# Altium PCB FlatSat.PcbDoc (part 8 of 12)
Units mil, origin at the board's own origin, x right, y up, seen from the top; angles counter-clockwise.
Board outline 4682 x 22047 mil, 4 copper layers (Top Layer, STR GND 1, STR GND 2, Bottom Layer), stack 33.434 mil thick; 381 components, 345 nets, 1605 pads, 1915 vias.
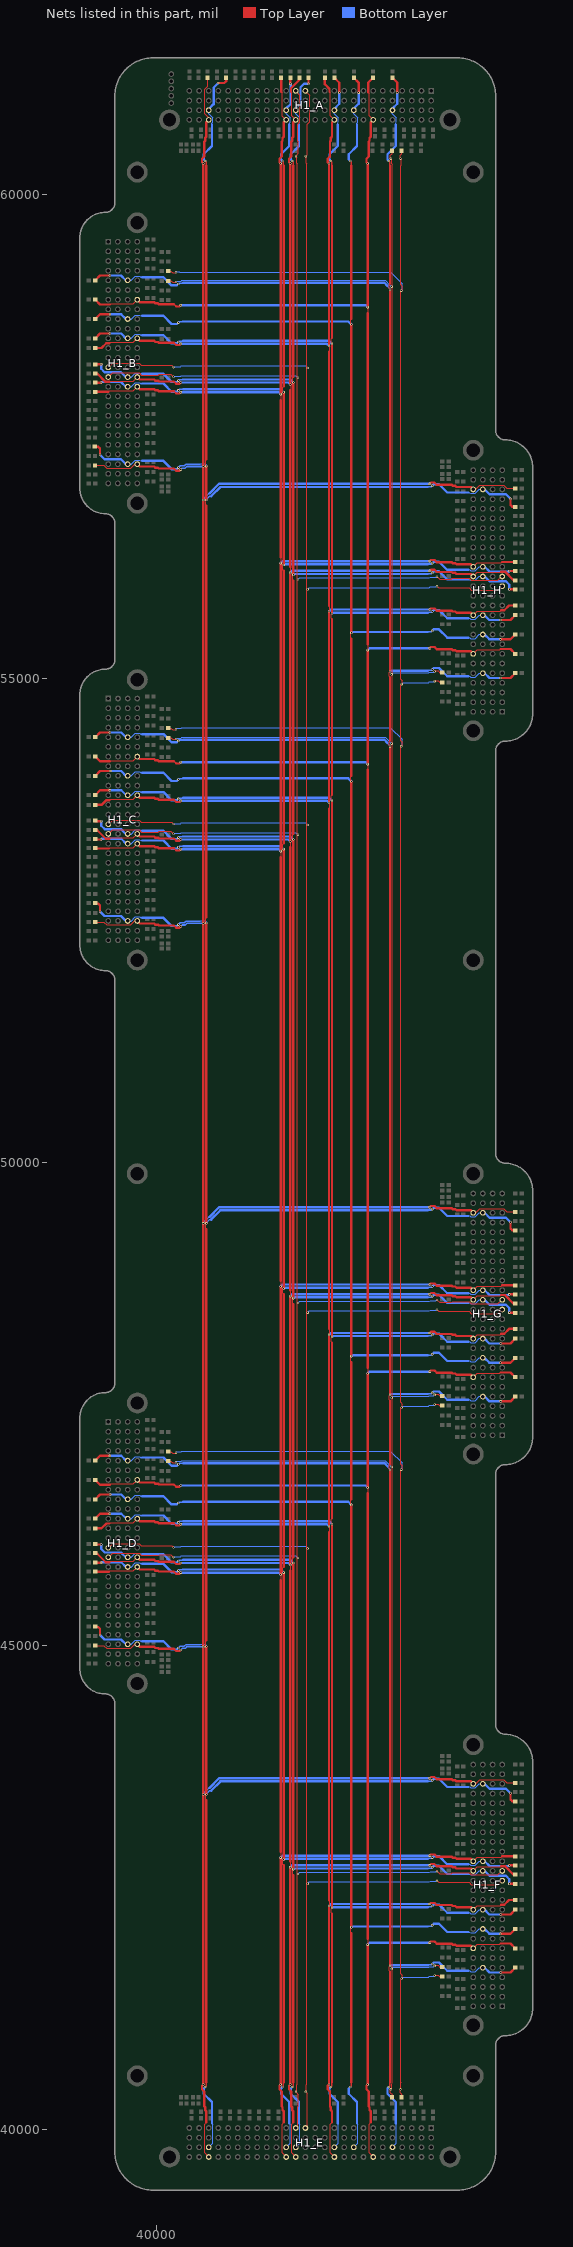
[diagram p10: the nets of this part, all layers, seen from the top]

## Via types
v1: diameter 24, hole 8, Top Layer to Bottom Layer, 1915 vias

## Nets (pads, with @x,y where several pads share a name; then routed paths per layer and width w, separated by ;. In a path a pad name is that pad's centre, name@x,y a point inside that pad or via, vN(x,y) a via of type N, cw(c..) or ccw(c..) an arc to the next point about the centre after c; other vN are vias at no path point) (continued)
GND_9: H1_A.61 H1_B.61 H1_C.61 H1_D.61 H1_E.61 H1_F.61 H1_G.61 H1_H.61 J61_A.2 J61_B.2 J61_C.2 J61_D.2 J61_F.2 J61_G.2 J61_H.2 | length 35393
  Top Layer w8: 42412,41628 42404,41636 42404,41680 v1(42412,41688) ; v1(42412,46815) 42404,46823 42404,46867 42412,46875 ; 42412,47533 42404,47541 42404,47585 v1(42412,47593) ; v1(42412,54295) 42404,54303 42404,54347 42412,54355 ; 42412,55013 42404,55021 42404,55065 v1(42412,55073) ; v1(42412,59020) 42404,59028 42404,59074 42412,59082
  Top Layer w16: v1(42400,40436) 42409,40445 42409,40475 42412,40478 42412,40483 ; v1(42400,60351) 42409,60342 42409,60312 42412,60309 42412,60304
  Top Layer w24: J61_B.2@39362.48,59117 39412.01,59166.53 v1(39514,59166.53) ; J61_D.2@39363.48,46913 39413.01,46962.53 v1(39515,46962.53) ; J61_C.2@39363.48,54393 39413.01,54442.53 v1(39515,54442.53) ; 42412,40483 42412,41628 ; v1(42412,41688) v1(42412,46815) ; 42412,46875 42412,47533 ; v1(42412,47593) v1(42412,54295) ; 42412,54355 42412,55013 ; v1(42412,55073) v1(42412,59020) ; 42412,59082 42412,60304 ; J61_A.2@42437,61211.52 42486.53,61161.99 v1(42486.53,61060) ; v1(43556,41620.47) 43657.99,41620.47 J61_F.2@43707.52,41670 ; v1(43556,47525.47) 43657.99,47525.47 J61_G.2@43707.52,47575 ; v1(43556,55005.47) 43657.99,55005.47 J61_H.2@43707.52,55055
  Bottom Layer w8: H1_D.61@39698,46912 39735,46912 39777.53,46954.53 39823.47,46954.53 39833,46945 39848,46945 ; H1_C.61@39698,54392 39735,54392 39777.53,54434.53 39823.47,54434.53 39833,54425 39848,54425 ; H1_B.61@39698,59117 39735,59117 39776.53,59158.53 39824.47,59158.53 39833,59150 39848,59150 ; H1_E.61@42437,39812 42478.53,39853.53 42478.53,40052.47 42470,40061 ; H1_A.61@42437,60876 42437,60839 42478.53,60797.47 42478.53,60749.53 42470,60741 42470,60726 ; 43223,41638 43238,41638 43247.53,41628.47 43293.47,41628.47 43336,41671 H1_F.61@43373,41671 ; 43223,47543 43238,47543 43247.53,47533.47 43293.47,47533.47 43336,47576 H1_G.61@43373,47576 ; 43223,55023 43238,55023 43247.53,55013.47 43293.47,55013.47 43336,55056 H1_H.61@43373,55056
  Bottom Layer w16: v1(40223,46875) 40232,46884 40262,46884 ; v1(40223,54355) 40232,54364 40262,54364 ; v1(40223,59080) 40232,59089 40262,59089 ; 40265,59092 40270,59092 ; 42386.63,46853.63 42386.63,46847.97 42408,46826.6 42408,46819 v1(42412,46815) ; 42386.63,54333.63 42386.63,54327.97 42408,54306.6 42408,54299 v1(42412,54295) ; 42386.63,59058.63 42386.63,59052.97 42408,59031.6 42408,59024 v1(42412,59020) ; 42801,41696 42806,41696 ; 42801,47601 42806,47601 ; 42801,55081 42806,55081 ; 42809,41699 42839,41699 v1(42848,41708) ; 42809,47604 42839,47604 v1(42848,47613) ; 42809,55084 42839,55084 v1(42848,55093)
  Bottom Layer w22: 40208,46860 v1(40223,46875) ; 40208,54340 v1(40223,54355) ; 40208,59065 v1(40223,59080) ; 42385,40421 v1(42400,40436) ; 42385,60366 v1(42400,60351) ; v1(42848,41708) 42863,41723 ; v1(42848,47613) 42863,47628 ; v1(42848,55093) 42863,55108
  Bottom Layer w24: v1(39514,59166.53) 39630.47,59166.53 39680,59117 H1_B.61@39698,59117 ; v1(39515,46962.53) 39631.47,46962.53 39681,46913 H1_D.61@39699,46913 ; v1(39515,54442.53) 39631.47,54442.53 39681,54393 H1_C.61@39699,54393 ; 39848,46945 40068,46945 40153,46860 40208,46860 ; 39848,54425 40068,54425 40153,54340 40208,54340 ; 39848,59150 40068,59150 40153,59065 40208,59065 ; 40270,46887 42353.25,46887 42386.63,46853.63 ; 40270,54367 42353.25,54367 42386.63,54333.63 ; 40270,59092 42353.25,59092 42386.63,59058.63 ; 42385,40421 42385,40366 42470,40281 42470,40061 ; 42385,60366 42385,60421 42470,60506 42470,60726 ; v1(42412,41688) 42420,41696 42801,41696 ; v1(42412,47593) 42420,47601 42801,47601 ; v1(42412,55073) 42420,55081 42801,55081 ; H1_A.61@42437,60876 42437,60894 42486.53,60943.53 v1(42486.53,61060) ; 42863,41723 42918,41723 43003,41638 43223,41638 ; 42863,47628 42918,47628 43003,47543 43223,47543 ; 42863,55108 42918,55108 43003,55023 43223,55023 ; H1_F.61@43372,41670 43390,41670 43439.53,41620.47 v1(43556,41620.47) ; H1_G.61@43372,47575 43390,47575 43439.53,47525.47 v1(43556,47525.47) ; H1_H.61@43372,55055 43390,55055 43439.53,55005.47 v1(43556,55005.47)
GND_10: H1_A.69 H1_B.69 H1_C.69 H1_D.69 H1_E.69 H1_F.69 H1_G.69 H1_H.69 J69_A.2 J69_B.2 J69_C.2 J69_D.2 J69_F.2 J69_G.2 J69_H.2 | length 35330.7
  Top Layer w8: 42012,42028 42004,42036 42004,42080 v1(42012,42088) ; v1(42012,46455) 42004,46463 42004,46507 42012,46515 ; 42012,47933 42004,47941 42004,47985 v1(42012,47993) ; v1(42012,53935) 42004,53943 42004,53987 42012,53995 ; 42012,55413 42004,55421 42004,55465 v1(42012,55473) ; v1(42012,58660) 42004,58668 42004,58712 42012,58720
  Top Layer w16: v1(42000,40436) 42009,40445 42009,40475 42012,40478 42012,40483 ; v1(42000,60351) 42009,60342 42009,60312 42012,60309 42012,60304
  Top Layer w24: J69_B.2@39362.48,58717 39412.48,58767 v1(39516,58767) ; J69_D.2@39363.48,46513 39413.48,46563 v1(39517,46563) ; J69_C.2@39363.48,53993 39413.48,54043 v1(39517,54043) ; 42012,40485 42012,42028 ; v1(42012,42088) v1(42012,46455) ; 42012,46515 42012,47933 ; v1(42012,47993) v1(42012,53935) ; 42012,53995 42012,55413 ; v1(42012,55473) v1(42012,58660) ; 42012,58720 42012,60304 ; J69_A.2@42037,61211.52 42087,61161.52 v1(42087,61058) ; v1(43554,42020) 43657.52,42020 J69_F.2@43707.52,42070 ; v1(43554,47925) 43657.52,47925 J69_G.2@43707.52,47975 ; v1(43554,55405) 43657.52,55405 J69_H.2@43707.52,55455
  Bottom Layer w8: H1_D.69@39698,46512 39735,46512 39777.53,46554.53 39823.47,46554.53 39833,46545 39848,46545 ; H1_C.69@39698,53992 39735,53992 39777.53,54034.53 39823.47,54034.53 39833,54025 39848,54025 ; H1_B.69@39698,58717 39735,58717 39776.53,58758.53 39824.47,58758.53 39833,58750 39848,58750 ; H1_E.69@42037,39812 42078.53,39853.53 42078.53,40052.47 42070,40061 ; H1_A.69@42037,60876 42037,60839 42078.53,60797.47 42078.53,60749.53 42070,60741 42070,60726 ; 43223,42038 43238,42038 43247.53,42028.47 43293.47,42028.47 43336,42071 H1_F.69@43373,42071 ; 43223,47943 43238,47943 43247.53,47933.47 43293.47,47933.47 43336,47976 H1_G.69@43373,47976 ; 43223,55423 43238,55423 43247.53,55413.47 43293.47,55413.47 43336,55456 H1_H.69@43373,55456
  Bottom Layer w16: v1(40223,46475) 40232,46484 40262,46484 ; v1(40223,53955) 40232,53964 40262,53964 ; v1(40223,58680) 40232,58689 40262,58689 ; 40265,46487 40270,46487 ; 40265,53967 40270,53967 ; 40265,58692 40270,58692 ; 42801,42096 42806,42096 ; 42801,48001 42806,48001 ; 42801,55481 42806,55481 ; 42809,42099 42839,42099 v1(42848,42108) ; 42809,48004 42839,48004 v1(42848,48013) ; 42809,55484 42839,55484 v1(42848,55493)
  Bottom Layer w22: 40208,46460 v1(40223,46475) ; 40208,53940 v1(40223,53955) ; 40208,58665 v1(40223,58680) ; 41985,40421 v1(42000,40436) ; 41985,60366 v1(42000,60351) ; v1(42848,42108) 42863,42123 ; v1(42848,48013) 42863,48028 ; v1(42848,55493) 42863,55508
  Bottom Layer w24: v1(39516,58767) 39631,58767 39681,58717 H1_B.69@39698,58717 ; v1(39517,46563) 39632,46563 39682,46513 H1_D.69@39699,46513 ; v1(39517,54043) 39632,54043 39682,53993 H1_C.69@39699,53993 ; 39848,46545 40068,46545 40153,46460 40208,46460 ; 39848,54025 40068,54025 40153,53940 40208,53940 ; 39848,58750 40068,58750 40153,58665 40208,58665 ; 40270,46487 41980,46487 v1(42012,46455) ; 40270,53967 41980,53967 v1(42012,53935) ; 40270,58692 41980,58692 v1(42012,58660) ; 41985,40421 41985,40366 42070,40281 42070,40061 ; 41985,60366 41985,60421 42070,60506 42070,60726 ; v1(42012,42088) 42020,42096 42801,42096 ; v1(42012,47993) 42020,48001 42801,48001 ; v1(42012,55473) 42020,55481 42801,55481 ; H1_A.69@42037,60876 42037,60893 42087,60943 v1(42087,61058) ; 42863,42123 42918,42123 43003,42038 43223,42038 ; 42863,48028 42918,48028 43003,47943 43223,47943 ; 42863,55508 42918,55508 43003,55423 43223,55423 ; H1_F.69@43372,42070 43389,42070 43439,42020 v1(43554,42020) ; H1_G.69@43372,47975 43389,47975 43439,47925 v1(43554,47925) ; H1_H.69@43372,55455 43389,55455 43439,55405 v1(43554,55405)
GND_11: H1_A.73 H1_B.73 H1_C.73 H1_D.73 H1_E.73 H1_F.73 H1_G.73 H1_H.73 J71_A.2 J71_B.2 J71_C.2 J71_D.2 J71_F.2 J71_G.2 J71_H.2 | length 35331.2
  Top Layer w8: 41812,42228 41804,42236 41804,42280 v1(41812,42288) ; v1(41812,46255) 41804,46263 41804,46307 41812,46315 ; 41812,48133 41804,48141 41804,48185 v1(41812,48193) ; v1(41812,53735) 41804,53743 41804,53787 41812,53795 ; 41812,55613 41804,55621 41804,55665 v1(41812,55673) ; v1(41812,58460) 41804,58468 41804,58512 41812,58520
  Top Layer w16: v1(41800,40436) 41809,40445 41809,40475 41812,40478 41812,40483 ; v1(41800,60351) 41809,60342 41809,60312 41812,60309 41812,60304
  Top Layer w24: J71_B.2@39362.48,58517 39412.95,58567.47 v1(39514,58567.47) ; J71_D.2@39363.48,46313 39413.95,46363.47 v1(39515,46363.47) ; J71_C.2@39363.48,53793 39413.95,53843.47 v1(39515,53843.47) ; 41812,40483 41812,42228 ; v1(41812,42288) v1(41812,46255) ; 41812,46315 41812,48133 ; v1(41812,48193) v1(41812,53735) ; 41812,53795 41812,55613 ; v1(41812,55673) v1(41812,58460) ; 41812,58520 41812,60304 ; J71_A.2@41837,61211.52 41887.47,61161.05 v1(41887.47,61060) ; v1(43556,42219.53) 43657.05,42219.53 J71_F.2@43707.52,42270 ; v1(43556,48124.53) 43657.05,48124.53 J71_G.2@43707.52,48175 ; v1(43556,55604.53) 43657.05,55604.53 J71_H.2@43707.52,55655
  Bottom Layer w8: H1_D.73@39698,46312 39735,46312 39777.53,46354.53 39823.47,46354.53 39833,46345 39848,46345 ; H1_C.73@39698,53792 39735,53792 39777.53,53834.53 39823.47,53834.53 39833,53825 39848,53825 ; H1_B.73@39698,58517 39735,58517 39776.53,58558.53 39824.47,58558.53 39833,58550 39848,58550 ; H1_E.73@41837,39812 41878.53,39853.53 41878.53,40052.47 41870,40061 ; H1_A.73@41837,60876 41837,60839 41878.53,60797.47 41878.53,60749.53 41870,60741 41870,60726 ; 43223,42238 43238,42238 43247.53,42228.47 43293.47,42228.47 43336,42271 H1_F.73@43373,42271 ; 43223,48143 43238,48143 43247.53,48133.47 43293.47,48133.47 43336,48176 H1_G.73@43373,48176 ; 43223,55623 43238,55623 43247.53,55613.47 43293.47,55613.47 43336,55656 H1_H.73@43373,55656
  Bottom Layer w16: v1(40223,46275) 40232,46284 40262,46284 ; v1(40223,53755) 40232,53764 40262,53764 ; v1(40223,58480) 40232,58489 40262,58489 ; 40265,46287 40270,46287 ; 40265,53767 40270,53767 ; 40265,58492 40270,58492 ; 42801,42296 42806,42296 ; 42801,48201 42806,48201 ; 42801,55681 42806,55681 ; 42809,42299 42839,42299 v1(42848,42308) ; 42809,48204 42839,48204 v1(42848,48213) ; 42809,55684 42839,55684 v1(42848,55693)
  Bottom Layer w22: 40208,46260 v1(40223,46275) ; 40208,53740 v1(40223,53755) ; 40208,58465 v1(40223,58480) ; 41785,40421 v1(41800,40436) ; 41785,60366 v1(41800,60351) ; v1(42848,42308) 42863,42323 ; v1(42848,48213) 42863,48228 ; v1(42848,55693) 42863,55708
  Bottom Layer w24: v1(39514,58567.47) 39631.53,58567.47 39682,58517 H1_B.73@39698,58517 ; v1(39515,46363.47) 39632.53,46363.47 39683,46313 H1_D.73@39699,46313 ; v1(39515,53843.47) 39632.53,53843.47 39683,53793 H1_C.73@39699,53793 ; 39848,46345 40068,46345 40153,46260 40208,46260 ; 39848,53825 40068,53825 40153,53740 40208,53740 ; 39848,58550 40068,58550 40153,58465 40208,58465 ; 40270,46287 41780,46287 v1(41812,46255) ; 40270,53767 41780,53767 v1(41812,53735) ; 40270,58492 41780,58492 v1(41812,58460) ; 41785,40421 41785,40366 41870,40281 41870,40061 ; 41785,60366 41785,60421 41870,60506 41870,60726 ; v1@41813,42289 41820,42296 42801,42296 ; v1@41813,48194 41820,48201 42801,48201 ; v1@41813,55674 41820,55681 42801,55681 ; H1_A.73@41837,60876 41837,60892 41887.47,60942.47 v1(41887.47,61060) ; 42863,42323 42918,42323 43003,42238 43223,42238 ; 42863,48228 42918,48228 43003,48143 43223,48143 ; 42863,55708 42918,55708 43003,55623 43223,55623 ; H1_F.73@43372,42270 43388,42270 43438.47,42219.53 v1(43556,42219.53) ; H1_G.73@43372,48175 43388,48175 43438.47,48124.53 v1(43556,48124.53) ; H1_H.73@43372,55655 43388,55655 43438.47,55604.53 v1(43556,55604.53)
GND_12: H1_A.81 H1_B.81 H1_C.81 H1_D.81 H1_E.81 H1_F.81 H1_G.81 H1_H.81 J81_A.2 J81_B.2 J81_C.2 J81_D.2 J81_F.2 J81_G.2 J81_H.2 | length 35599.7
  Top Layer w8: 41412,42628 41404,42636 41404,42680 v1(41412,42688) ; v1(41412,45855) 41404,45863 41404,45907 41412,45915 ; 41412,48533 41404,48541 41404,48585 v1(41412,48593) ; v1(41412,53335) 41404,53343 41404,53387 41412,53395 ; 41412,56013 41404,56021 41404,56065 v1(41412,56073) ; v1(41412,58060) 41404,58068 41404,58112 41412,58120
  Top Layer w16: v1(41400,40436) 41409,40445 41409,40475 41412,40478 41412,40483 ; v1(41400,60351) 41409,60342 41409,60312 41412,60309 41412,60304
  Top Layer w24: J81_B.2@39362.48,58248.9 39421.9,58248.9 39422,58249 v1(39425,58249) ; J81_D.2@39363.48,46044.9 v1@39422.9,46044.9 ; J81_C.2@39363.48,53524.9 v1@39422.9,53524.9 ; 41412,40483 41412,42628 ; v1(41412,42688) v1(41412,45855) ; 41412,45915 41412,48533 ; v1(41412,48593) v1(41412,53335) ; 41412,53395 41412,56013 ; v1(41412,56073) v1(41412,58060) ; 41412,58120 41412,60304 ; v1@41568.9,61152.1 J81_A.2@41568.9,61211.52 ; v1@43648.1,42538.1 J81_F.2@43707.52,42538.1 ; v1@43648.1,48443.1 J81_G.2@43707.52,48443.1 ; v1@43648.1,55923.1 J81_H.2@43707.52,55923.1
  Bottom Layer w8: H1_D.81@39698,45912 39735,45912 39777.53,45954.53 39823.47,45954.53 39833,45945 39848,45945 ; H1_C.81@39698,53392 39735,53392 39777.53,53434.53 39823.47,53434.53 39833,53425 39848,53425 ; H1_B.81@39698,58117 39735,58117 39776.53,58158.53 39824.47,58158.53 39833,58150 39848,58150 ; H1_E.81@41437,39812 41478.53,39853.53 41478.53,40052.47 41470,40061 ; H1_A.81@41437,60876 41437,60839 41478.53,60797.47 41478.53,60749.53 41470,60741 41470,60726 ; 43223,42638 43238,42638 43247.53,42628.47 43293.47,42628.47 43336,42671 H1_F.81@43373,42671 ; 43223,48543 43238,48543 43247.53,48533.47 43293.47,48533.47 43336,48576 H1_G.81@43373,48576 ; 43223,56023 43238,56023 43247.53,56013.47 43293.47,56013.47 43336,56056 H1_H.81@43373,56056
  Bottom Layer w16: v1(40223,45875) 40232,45884 40262,45884 ; v1(40223,53355) 40232,53364 40262,53364 ; v1(40223,58080) 40232,58089 40262,58089 ; 40265,45887 40270,45887 ; 40265,53367 40270,53367 ; 40265,58092 40270,58092 ; 42801,42696 42806,42696 ; 42801,48601 42806,48601 ; 42801,56081 42806,56081 ; 42809,42699 42839,42699 v1(42848,42708) ; 42809,48604 42839,48604 v1(42848,48613) ; 42809,56084 42839,56084 v1(42848,56093)
  Bottom Layer w22: 40208,45860 v1(40223,45875) ; 40208,53340 v1(40223,53355) ; 40208,58065 v1(40223,58080) ; 41385,40421 v1(41400,40436) ; 41385,60366 v1(41400,60351) ; v1(42848,42708) 42863,42723 ; v1(42848,48613) 42863,48628 ; v1(42848,56093) 42863,56108
  Bottom Layer w24: v1(39425,58249) 39425,58202 39460.47,58166.53 39628.47,58166.53 39678,58117 H1_B.81@39698,58117 ; v1(39426,46045) 39426,45998 39461.47,45962.53 39629.47,45962.53 39679,45913 H1_D.81@39699,45913 ; v1(39426,53525) 39426,53478 39461.47,53442.53 39629.47,53442.53 39679,53393 H1_C.81@39699,53393 ; 39848,45945 40068,45945 40153,45860 40208,45860 ; 39848,53425 40068,53425 40153,53340 40208,53340 ; 39848,58150 40068,58150 40153,58065 40208,58065 ; 40270,45887 41380,45887 v1(41412,45855) ; 40270,53367 41380,53367 v1(41412,53335) ; 40270,58092 41380,58092 v1(41412,58060) ; 41385,40421 41385,40366 41470,40281 41470,40061 ; 41385,60366 41385,60421 41470,60506 41470,60726 ; v1(41412,42688) 41420,42696 42801,42696 ; v1(41412,48593) 41420,48601 42801,48601 ; v1(41412,56073) 41420,56081 42801,56081 ; H1_A.81@41437,60876 41437,60896 41486.53,60945.53 41486.53,61113.53 41522,61149 v1(41569,61149) ; 42863,42723 42918,42723 43003,42638 43223,42638 ; 42863,48628 42918,48628 43003,48543 43223,48543 ; 42863,56108 42918,56108 43003,56023 43223,56023 ; H1_F.81@43372,42670 43392,42670 43441.53,42620.47 43609.53,42620.47 43645,42585 v1(43645,42538) ; H1_G.81@43372,48575 43392,48575 43441.53,48525.47 43609.53,48525.47 43645,48490 v1(43645,48443) ; H1_H.81@43372,56055 43392,56055 43441.53,56005.47 43609.53,56005.47 43645,55970 v1(43645,55923)
GND_13: H1_A.83 H1_B.83 H1_C.83 H1_D.83 H1_E.83 H1_F.83 H1_G.83 H1_H.83 J83_A.2 J83_B.2 J83_C.2 J83_D.2 J83_F.2 J83_G.2 J83_H.2 | length 35203
  Top Layer w8: 41312,42728 41304,42736 41304,42780 v1(41312,42788) ; v1(41312,45755) 41304,45763 41304,45807 41312,45815 ; 41312,48633 41304,48641 41304,48685 v1(41312,48693) ; v1(41312,53235) 41304,53243 41304,53287 41312,53295 ; 41312,56113 41304,56121 41304,56165 v1(41312,56173) ; v1(41312,57960) 41304,57968 41304,58012 41312,58020
  Top Layer w16: v1(41300,40436) 41309,40445 41309,40475 41312,40478 41312,40483 ; v1(41300,60351) 41309,60342 41309,60312 41312,60309 41312,60304
  Top Layer w24: J83_B.2@39362.48,58059.59 39423.59,58059.59 v1(39424,58060) ; J83_D.2@39363.48,45855.59 v1@39424.59,45855.59 ; J83_C.2@39363.48,53335.59 v1@39424.59,53335.59 ; 41312,40483 41312,42728 ; v1(41312,42788) v1(41312,45755) ; 41312,45815 41312,48633 ; v1(41312,48693) v1(41312,53235) ; 41312,53295 41312,56113 ; v1(41312,56173) v1(41312,57960) ; 41312,58020 41312,60304 ; v1@41379.59,61150.41 J83_A.2@41379.59,61211.52 ; v1@43646.41,42727.41 J83_F.2@43707.52,42727.41 ; v1@43646.41,48632.41 J83_G.2@43707.52,48632.41 ; v1@43646.41,56112.41 J83_H.2@43707.52,56112.41
  Bottom Layer w8: H1_D.83@39698,45812 39735,45812 39777.53,45854.53 39823.47,45854.53 39833,45845 39848,45845 ; H1_C.83@39698,53292 39735,53292 39777.53,53334.53 39823.47,53334.53 39833,53325 39848,53325 ; H1_B.83@39698,58017 39735,58017 39776.53,58058.53 39824.47,58058.53 39833,58050 39848,58050 ; H1_E.83@41337,39812 41378.53,39853.53 41378.53,40052.47 41370,40061 ; H1_A.83@41337,60876 41337,60839 41378.53,60797.47 41378.53,60749.53 41370,60741 41370,60726 ; 43223,42738 43238,42738 43247.53,42728.47 43293.47,42728.47 43336,42771 H1_F.83@43373,42771 ; 43223,48643 43238,48643 43247.53,48633.47 43293.47,48633.47 43336,48676 H1_G.83@43373,48676 ; 43223,56123 43238,56123 43247.53,56113.47 43293.47,56113.47 43336,56156 H1_H.83@43373,56156
  Bottom Layer w16: v1(40223,45775) 40232,45784 40262,45784 ; v1(40223,53255) 40232,53264 40262,53264 ; v1(40223,57980) 40232,57989 40262,57989 ; 40265,45787 40270,45787 ; 40265,53267 40270,53267 ; 40265,57992 40270,57992 ; 42801,42796 42806,42796 ; 42801,48701 42806,48701 ; 42801,56181 42806,56181 ; 42809,42799 42839,42799 v1(42848,42808) ; 42809,48704 42839,48704 v1(42848,48713) ; 42809,56184 42839,56184 v1(42848,56193)
  Bottom Layer w22: 40208,45760 v1(40223,45775) ; 40208,53240 v1(40223,53255) ; 40208,57965 v1(40223,57980) ; 41285,40421 v1(41300,40436) ; 41285,60366 v1(41300,60351) ; v1(42848,42808) 42863,42823 ; v1(42848,48713) 42863,48728 ; v1(42848,56193) 42863,56208
  Bottom Layer w24: v1(39424,58060) 39430.53,58066.53 39630.47,58066.53 39680,58017 H1_B.83@39698,58017 ; v1(39425,45856) 39431.53,45862.53 39631.47,45862.53 39681,45813 H1_D.83@39699,45813 ; v1(39425,53336) 39431.53,53342.53 39631.47,53342.53 39681,53293 H1_C.83@39699,53293 ; 39848,45845 40068,45845 40153,45760 40208,45760 ; 39848,53325 40068,53325 40153,53240 40208,53240 ; 39848,58050 40068,58050 40153,57965 40208,57965 ; 40270,45787 41280,45787 v1(41312,45755) ; 40270,53267 41280,53267 v1(41312,53235) ; 40270,57992 41280,57992 v1(41312,57960) ; 41285,40421 41285,40366 41370,40281 41370,40061 ; 41285,60366 41285,60421 41370,60506 41370,60726 ; v1(41312,42788) 41320,42796 42801,42796 ; v1(41312,48693) 41320,48701 42801,48701 ; v1(41312,56173) 41320,56181 42801,56181 ; H1_A.83@41337,60876 41337,60894 41386.53,60943.53 41386.53,61143.47 v1(41380,61150) ; 42863,42823 42918,42823 43003,42738 43223,42738 ; 42863,48728 42918,48728 43003,48643 43223,48643 ; 42863,56208 42918,56208 43003,56123 43223,56123 ; H1_F.83@43372,42770 43390,42770 43439.53,42720.47 43639.47,42720.47 v1(43646,42727) ; H1_G.83@43372,48675 43390,48675 43439.53,48625.47 43639.47,48625.47 v1(43646,48632) ; H1_H.83@43372,56155 43390,56155 43439.53,56105.47 43639.47,56105.47 v1(43646,56112)
GND_14: H1_A.99 H1_B.99 H1_C.99 H1_D.99 H1_E.99 H1_F.99 H1_G.99 H1_H.99 J99_A.2 J99_B.2 J99_C.2 J99_D.2 J99_F.2 J99_G.2 J99_H.2 | length 36017.8
  Top Layer w8: v1@40510,57197 40504,57203 40504,57259 40512,57267 ; 40512,43402 40504,43410 40504,43444 40512,43452 v1(40512,43461) ; v1(40512,44991) 40504,44999 40504,45043 40512,45051 ; 40512,49307 40504,49315 40504,49349 40512,49357 v1(40512,49366) ; v1(40512,52471) 40504,52479 40504,52523 40512,52531 ; 40512,56787 40504,56795 40504,56829 40512,56837 v1(40512,56846)
  Top Layer w16: v1(40500,40436) 40509,40445 40509,40475 40512,40478 40512,40483 ; v1(40500,60351) 40509,60342 40509,60312 40512,60309 40512,60304
  Top Layer w24: J99_B.2@39359.48,57397 39393,57397 39412,57378 v1(39412,57314) ; J99_D.2@39360.48,45193 39394,45193 39413,45174 v1(39413,45110) ; J99_C.2@39360.48,52673 39394,52673 39413,52654 v1(39413,52590) ; 40512,40483 40512,43402 ; v1(40512,43461) v1(40512,44991) ; 40512,45057 40512,49307 ; v1(40512,49366) v1(40512,52471) ; 40512,52531 40512,56787 ; v1(40512,56846) v1@40512,57194 ; 40512,57267 40512,60304 ; v1(40634,61157) 40698,61157 40717,61176 J99_A.2@40717,61209.52 ; v1(43658,43473) 43658,43409 43677,43390 J99_F.2@43710.52,43390 ; v1(43658,49378) 43658,49314 43677,49295 J99_G.2@43710.52,49295 ; v1(43658,56858) 43658,56794 43677,56775 J99_H.2@43710.52,56775
  Bottom Layer w8: H1_D.99@39698,45012 39735,45012 39777.53,45054.53 39823.47,45054.53 39833,45045 39848,45045 ; H1_C.99@39698,52492 39735,52492 39777.53,52534.53 39823.47,52534.53 39833,52525 39848,52525 ; H1_B.99@39698,57217 39735,57217 39776.53,57258.53 39824.47,57258.53 39833,57250 39848,57250 ; 40451,45011 40455,45015 40499,45015 40510,45004 ; 40451,52491 40455,52495 40499,52495 40510,52484 ; 40451,57216 40455,57220 40499,57220 40510,57209 ; H1_E.99@40537,39812 40578.53,39853.53 40578.53,40052.47 40570,40061 ; H1_A.99@40537,60876 40537,60839 40578.53,60797.47 40578.53,60749.53 40570,60741 40570,60726 ; 43223,43538 43238,43538 43247.53,43528.47 43293.47,43528.47 43336,43571 H1_F.99@43373,43571 ; 43223,49443 43238,49443 43247.53,49433.47 43293.47,49433.47 43336,49476 H1_G.99@43373,49476 ; 43223,56923 43238,56923 43247.53,56913.47 43293.47,56913.47 43336,56956 H1_H.99@43373,56956
  Bottom Layer w16: v1(40223,44975) 40243,44995 40284.83,44995 40300.83,45011 40451,45011 ; v1(40223,52455) 40243,52475 40284.83,52475 40300.83,52491 40451,52491 ; v1(40223,57180) 40243,57200 40284.83,57200 40300.83,57216 40451,57216 ; v1(40512,43461) 40512,43467.38 40544.45,43499.83 40561.42,43499.83 ; v1(40512,49366) 40512,49372.38 40544.45,49404.83 40561.42,49404.83 ; v1(40512,56846) 40512,56852.38 40544.45,56884.83 40561.42,56884.83 ; 42801,43596 42806,43596 ; 42801,49501 42806,49501 ; 42801,56981 42806,56981 ; 42809,43599 42839,43599 v1(42848,43608) ; 42809,49504 42839,49504 v1(42848,49513) ; 42809,56984 42839,56984 v1(42848,56993)
  Bottom Layer w22: 40208,44960 v1(40223,44975) ; 40208,52440 v1(40223,52455) ; 40208,57165 v1(40223,57180) ; 40485,40421 v1(40500,40436) ; v1(42848,43608) 42863,43623 ; v1(42848,49513) 42863,49528 ; v1(42848,56993) 42863,57008
  Bottom Layer w24: v1(39412,57314) 39458.53,57267.47 39629.53,57267.47 39680,57217 H1_B.99@39698,57217 ; v1(39413,45110) 39459.53,45063.47 39630.53,45063.47 39681,45013 H1_D.99@39699,45013 ; v1(39413,52590) 39459.53,52543.47 39630.53,52543.47 39681,52493 H1_C.99@39699,52493 ; 39848,45045 40068,45045 40153,44960 40208,44960 ; 39848,52525 40068,52525 40153,52440 40208,52440 ; 39848,57250 40068,57250 40153,57165 40208,57165 ; 40485,40421 40485,40366 40570,40281 40570,40061 ; v1(40500,60351) 40485,60366 40485,60421 40570,60506 40570,60726 ; H1_A.99@40537,60876 40537,60889 40587.47,60939.47 40587.47,61107.59 40634,61154.12 v1(40634,61157) ; 40561.42,43499.83 40657.59,43596 42801,43596 ; 40561.42,49404.83 40657.59,49501 42801,49501 ; 40561.42,56884.83 40657.59,56981 42801,56981 ; 42863,43623 42918,43623 43003,43538 43223,43538 ; 42863,49528 42918,49528 43003,49443 43223,49443 ; 42863,57008 42918,57008 43003,56923 43223,56923 ; H1_F.99@43372,43570 43390,43570 43440.47,43519.53 43611.47,43519.53 v1(43658,43473) ; H1_G.99@43372,49475 43390,49475 43440.47,49424.53 43611.47,49424.53 v1(43658,49378) ; H1_H.99@43372,56955 43390,56955 43440.47,56904.53 43611.47,56904.53 v1(43658,56858)
  other v1: 40512,57196
GND_15: H1_A.66 H1_B.66 H1_C.66 H1_D.66 H1_E.66 H1_F.66 H1_G.66 H1_H.66 J66_A.1 J66_B.1 J66_C.1 J66_D.1 J66_F.1 J66_G.1 J66_H.1 | length 35149.2
  Top Layer w8: 39514,58867.47 39522,58875.47 39756.47,58875.47 H1_B.66@39798,58917 ; 39515,46663.47 39523,46671.47 39757.47,46671.47 39798,46712 H1_D.66@39799,46713 ; 39515,54143.47 39523,54151.47 39757.47,54151.47 39798,54192 H1_C.66@39799,54193 ; 42180,58780 42188,58788 42188,58832 v1(42180,58840) ; 42187.47,61060 42195.47,61052 42195.47,60817.53 H1_A.66@42237,60776 ; 42212,40069 42195.47,40052.47 42195.47,39753.53 H1_E.66@42237,39712 ; H1_F.66@43272,41870 43273,41871 43313.53,41911.53 43548,41911.53 43556,41919.53 ; H1_G.66@43272,47775 43273,47776 43313.53,47816.53 43548,47816.53 43556,47824.53 ; H1_H.66@43272,55255 43273,55256 43313.53,55296.53 43548,55296.53 43556,55304.53
  Top Layer w12: v1@42180,41910 42186,41916 42186,41962 42180,41968 ; 42180,46575 42186,46581 42186,46629 v1(42180,46635) ; v1@42180,47815 42186,47821 42186,47867 42180,47873 ; 42180,54055 42186,54061 42186,54109 v1(42180,54115) ; v1@42180,55295 42186,55301 42186,55347 42180,55353
  Top Layer w22: 40177,46666 40200,46643 40236.25,46643 ; 40177,54146 40200,54123 40236.25,54123 ; 40177,58871 40200,58848 40236.25,58848 v1@40248.13,58859.87 ; v1@42179.87,40461.13 42168,40449.25 42168,40413 42191,40390 ; v1@42179.87,60325.87 42168,60337.75 42168,60374 42191,60397 ; v1@42822.87,41928.13 42834.75,41940 42871,41940 42894,41917 ; v1@42822.87,47833.13 42834.75,47845 42871,47845 42894,47822 ; v1@42822.87,55313.13 42834.75,55325 42871,55325 42894,55302
  Top Layer w24: J66_B.1@39362.48,58917 39412.01,58867.47 39514,58867.47 ; J66_D.1@39363.48,46713 39413.01,46663.47 39515,46663.47 ; J66_C.1@39363.48,54193 39413.01,54143.47 39515,54143.47 ; H1_D.66@39798,46712 39823,46687 39972,46687 39984,46675 40012.6,46675 40021.6,46666 40177,46666 ; H1_C.66@39798,54192 39823,54167 39972,54167 39984,54155 40012.6,54155 40021.6,54146 40177,54146 ; H1_B.66@39798,58917 39823,58892 39972,58892 39984,58880 40012.6,58880 40021.6,58871 40177,58871 ; v1(42180,40461) v1(42180,41908) ; 42180,41968 42180,46575 ; v1(42180,46635) v1(42180,47813) ; 42180,47873 42180,54055 ; v1(42180,54115) v1(42180,55293) ; 42180,55353 42180,58780 ; v1(42180,58840) v1(42180,60326) ; 42187.47,61060 42187.47,61161.99 J66_A.1@42237,61211.52 ; 42191,40390 42191,40234.6 42200,40225.6 42200,40197 42212,40185 42212,40069 ; 42191,60397 42191,60552.4 42200,60561.4 42200,60590 42212,60602 42212,60751 H1_A.66@42237,60776 ; 42894,41917 43049.4,41917 43058.4,41908 43087,41908 43099,41896 43248,41896 H1_F.66@43273,41871 ; 42894,47822 43049.4,47822 43058.4,47813 43087,47813 43099,47801 43248,47801 H1_G.66@43273,47776 ; 42894,55302 43049.4,55302 43058.4,55293 43087,55293 43099,55281 43248,55281 H1_H.66@43273,55256 ; 43556,41919.53 43657.99,41919.53 J66_F.1@43707.52,41870 ; 43556,47824.53 43657.99,47824.53 J66_G.1@43707.52,47775 ; 43556,55304.53 43657.99,55304.53 J66_H.1@43707.52,55255
  Bottom Layer w24: v1(40248,46655) 42160,46655 v1(42180,46635) ; v1(40248,54135) 42160,54135 v1(42180,54115) ; v1(40248,58860) 42160,58860 v1(42180,58840) ; v1(42180,41908) 42200,41928 v1(42823,41928) ; v1(42180,47813) 42200,47833 v1(42823,47833) ; v1(42180,55293) 42200,55313 v1(42823,55313)
GND_16: H1_A.74 H1_B.74 H1_C.74 H1_D.74 H1_E.74 H1_F.74 H1_G.74 H1_H.74 J74_A.1 J74_B.1 J74_C.1 J74_D.1 J74_F.1 J74_G.1 J74_H.1 | length 35191.5
  Top Layer w8: 39510,58466.53 39518.94,58475.47 39756.47,58475.47 H1_B.74@39798,58517 ; 39511,46262.53 39519.94,46271.47 39757.47,46271.47 39798,46312 H1_D.74@39799,46313 ; 39511,53742.53 39519.94,53751.47 39757.47,53751.47 39798,53792 H1_C.74@39799,53793 ; 41780,58380 41788,58388 41788,58432 v1(41780,58440) ; 41786.53,61064 41795.47,61055.06 41795.47,60817.53 H1_A.74@41837,60776 ; 41812,40069 41795.47,40052.47 41795.47,39753.53 H1_E.74@41837,39712 ; H1_F.74@43272,42270 43273,42271 43313.53,42311.53 43551.06,42311.53 43560,42320.47 ; H1_G.74@43272,48175 43273,48176 43313.53,48216.53 43551.06,48216.53 43560,48225.47 ; H1_H.74@43272,55655 43273,55656 43313.53,55696.53 43551.06,55696.53 43560,55705.47
  Top Layer w12: v1(41780,42308) 41786,42314 41786,42362 41780,42368 ; 41780,46175 41786,46181 41786,46229 v1(41780,46235) ; v1(41780,48213) 41786,48219 41786,48267 41780,48273 ; 41780,53655 41786,53661 41786,53709 v1(41780,53715) ; v1(41780,55693) 41786,55699 41786,55747 41780,55753
  Top Layer w22: 40177,46266 40200,46243 40236.25,46243 v1@40248.13,46254.87 ; 40177,53746 40200,53723 40236.25,53723 v1@40248.13,53734.87 ; 40177,58471 40200,58448 40236.25,58448 v1@40248.13,58459.87 ; v1@41779.87,40461.13 41768,40449.25 41768,40413 41791,40390 ; v1@41779.87,60325.87 41768,60337.75 41768,60374 41791,60397 ; v1@42822.87,42328.13 42834.75,42340 42871,42340 42894,42317 ; v1@42822.87,48233.13 42834.75,48245 42871,48245 42894,48222 ; v1@42822.87,55713.13 42834.75,55725 42871,55725 42894,55702
  Top Layer w24: J74_B.1@39362.48,58417 39427.96,58417 39477.49,58466.53 39510,58466.53 ; J74_D.1@39363.48,46213 39428.96,46213 39478.49,46262.53 39511,46262.53 ; J74_C.1@39363.48,53693 39428.96,53693 39478.49,53742.53 39511,53742.53 ; H1_D.74@39798,46312 39823,46287 39972,46287 39984,46275 40012.6,46275 40021.6,46266 40177,46266 ; H1_C.74@39798,53792 39823,53767 39972,53767 39984,53755 40012.6,53755 40021.6,53746 40177,53746 ; H1_B.74@39798,58517 39823,58492 39972,58492 39984,58480 40012.6,58480 40021.6,58471 40177,58471 ; J74_A.1@41737,61211.52 41737,61146.04 41786.53,61096.51 41786.53,61064 ; v1(41780,40461) v1(41780,42308) ; 41780,42368 41780,46175 ; v1(41780,46235) v1(41780,48213) ; 41780,48273 41780,53655 ; v1(41780,53715) v1(41780,55693) ; 41780,55753 41780,58380 ; v1(41780,58440) v1(41780,60326) ; 41791,40390 41791,40234.6 41800,40225.6 41800,40197 41812,40185 41812,40069 ; 41791,60397 41791,60552.4 41800,60561.4 41800,60590 41812,60602 41812,60751 H1_A.74@41837,60776 ; 42894,42317 43049.4,42317 43058.4,42308 43087,42308 43099,42296 43248,42296 H1_F.74@43273,42271 ; 42894,48222 43049.4,48222 43058.4,48213 43087,48213 43099,48201 43248,48201 H1_G.74@43273,48176 ; 42894,55702 43049.4,55702 43058.4,55693 43087,55693 43099,55681 43248,55681 H1_H.74@43273,55656 ; 43560,42320.47 43592.51,42320.47 43642.04,42370 J74_F.1@43707.52,42370 ; 43560,48225.47 43592.51,48225.47 43642.04,48275 J74_G.1@43707.52,48275 ; 43560,55705.47 43592.51,55705.47 43642.04,55755 J74_H.1@43707.52,55755
  Bottom Layer w24: v1(40248,46255) 41760,46255 v1(41780,46235) ; v1(40248,53735) 41760,53735 v1(41780,53715) ; v1(40248,58460) 41760,58460 v1(41780,58440) ; v1(41780,42308) 41800,42328 v1(42823,42328) ; v1(41780,48213) 41800,48233 v1(42823,48233) ; v1(41780,55693) 41800,55713 v1(42823,55713)
GND_17: H1_A.82 H1_B.82 H1_C.82 H1_D.82 H1_E.82 H1_F.82 H1_G.82 H1_H.82 J82_A.1 J82_B.1 J82_C.1 J82_D.1 J82_F.1 J82_G.1 J82_H.1 | length 35299.5
  Top Layer w8: 39509,58067 39517.47,58075.47 39756.47,58075.47 H1_B.82@39798,58117 ; 39510,45863 39518.47,45871.47 39757.47,45871.47 39798,45912 H1_D.82@39799,45913 ; 39510,53343 39518.47,53351.47 39757.47,53351.47 39798,53392 H1_C.82@39799,53393 ; 41380,57980 41388,57988 41388,58032 v1(41380,58040) ; 41387,61065 41395.47,61056.53 41395.47,60817.53 H1_A.82@41437,60776 ; 41412,40069 41395.47,40052.47 41395.47,39753.53 H1_E.82@41437,39712 ; H1_F.82@43272,42670 43273,42671 43313.53,42711.53 43552.53,42711.53 43561,42720 ; H1_G.82@43272,48575 43273,48576 43313.53,48616.53 43552.53,48616.53 43561,48625 ; H1_H.82@43272,56055 43273,56056 43313.53,56096.53 43552.53,56096.53 43561,56105
  Top Layer w12: v1(41380,42708) 41386,42714 41386,42762 41380,42768 ; 41380,45775 41386,45781 41386,45829 v1(41380,45835) ; v1(41380,48613) 41386,48619 41386,48667 41380,48673 ; 41380,53255 41386,53261 41386,53309 v1(41380,53315) ; v1(41380,56093) 41386,56099 41386,56147 41380,56153
  Top Layer w22: 40177,45866 40200,45843 40236.25,45843 v1@40248.13,45854.87 ; 40177,53346 40200,53323 40236.25,53323 v1@40248.13,53334.87 ; 40177,58071 40200,58048 40236.25,58048 v1@40248.13,58059.87 ; v1@41379.87,40461.13 41368,40449.25 41368,40413 41391,40390 ; v1@41379.87,60325.87 41368,60337.75 41368,60374 41391,60397 ; v1@42822.87,42728.13 42834.75,42740 42871,42740 42894,42717 ; v1@42822.87,48633.13 42834.75,48645 42871,48645 42894,48622 ; v1@42822.87,56113.13 42834.75,56125 42871,56125 42894,56102
  Top Layer w24: J82_B.1@39362.48,58154.24 39383.76,58154.24 39471,58067 39509,58067 ; J82_D.1@39363.48,45950.24 39384.76,45950.24 39472,45863 39510,45863 ; J82_C.1@39363.48,53430.24 39384.76,53430.24 39472,53343 39510,53343 ; H1_D.82@39798,45912 39823,45887 39972,45887 39984,45875 40012.6,45875 40021.6,45866 40177,45866 ; H1_C.82@39798,53392 39823,53367 39972,53367 39984,53355 40012.6,53355 40021.6,53346 40177,53346 ; H1_B.82@39798,58117 39823,58092 39972,58092 39984,58080 40012.6,58080 40021.6,58071 40177,58071 ; v1(41380,40461) v1(41380,42708) ; 41380,42768 41380,45775 ; v1(41380,45835) v1(41380,48613) ; 41380,48673 41380,53255 ; v1(41380,53315) v1(41380,56093) ; 41380,56153 41380,57980 ; v1(41380,58040) v1(41380,60326) ; 41387,61065 41387,61103 41474.24,61190.24 J82_A.1@41474.24,61211.52 ; 41391,40390 41391,40234.6 41400,40225.6 41400,40197 41412,40185 41412,40069 ; 41391,60397 41391,60552.4 41400,60561.4 41400,60590 41412,60602 41412,60751 H1_A.82@41437,60776 ; 42894,42717 43049.4,42717 43058.4,42708 43087,42708 43099,42696 43248,42696 H1_F.82@43273,42671 ; 42894,48622 43049.4,48622 43058.4,48613 43087,48613 43099,48601 43248,48601 H1_G.82@43273,48576 ; 42894,56102 43049.4,56102 43058.4,56093 43087,56093 43099,56081 43248,56081 H1_H.82@43273,56056 ; 43561,42720 43599,42720 43686.24,42632.76 J82_F.1@43707.52,42632.76 ; 43561,48625 43599,48625 43686.24,48537.76 J82_G.1@43707.52,48537.76 ; 43561,56105 43599,56105 43686.24,56017.76 J82_H.1@43707.52,56017.76
  Bottom Layer w24: v1(40248,45855) 41360,45855 v1(41380,45835) ; v1(40248,53335) 41360,53335 v1(41380,53315) ; v1(40248,58060) 41360,58060 v1(41380,58040) ; v1(41380,42708) 41400,42728 v1(42823,42728) ; v1(41380,48613) 41400,48633 v1(42823,48633) ; v1(41380,56093) 41400,56113 v1(42823,56113)
GND_18: H1_A.84 H1_B.84 H1_C.84 H1_D.84 H1_E.84 H1_F.84 H1_G.84 H1_H.84 J84_A.1 J84_B.1 J84_C.1 J84_D.1 J84_F.1 J84_G.1 J84_H.1 | length 35049.5
  Top Layer w8: 39501,57966.53 39509.94,57975.47 39756.47,57975.47 H1_B.84@39798,58017 ; 39502,45762.53 39510.94,45771.47 39757.47,45771.47 39798,45812 H1_D.84@39799,45813 ; 39502,53242.53 39510.94,53251.47 39757.47,53251.47 39798,53292 H1_C.84@39799,53293 ; 41280,57880 41288,57888 41288,57932 v1(41280,57940) ; 41286.53,61068 41295.47,61059.06 41295.47,60812.53 41334.5,60773.5 H1_A.84@41337,60771 ; 41312,40069 41295.47,40052.47 41295.47,39753.53 H1_E.84@41337,39712 ; H1_F.84@43272,42770 43273,42771 43313.53,42811.53 43560.06,42811.53 43569,42820.47 ; H1_G.84@43272,48675 43273,48676 43313.53,48716.53 43560.06,48716.53 43569,48725.47 ; H1_H.84@43272,56155 43273,56156 43313.53,56196.53 43560.06,56196.53 43569,56205.47
  Top Layer w12: v1(41280,42808) 41286,42814 41286,42862 41280,42868 ; 41280,45675 41286,45681 41286,45729 v1(41280,45735) ; v1(41280,48713) 41286,48719 41286,48767 41280,48773 ; 41280,53155 41286,53161 41286,53209 v1(41280,53215) ; v1(41280,56193) 41286,56199 41286,56247 41280,56253
  Top Layer w22: 40177,45766 40200,45743 40236.25,45743 v1@40248.13,45754.87 ; 40177,53246 40200,53223 40236.25,53223 v1@40248.13,53234.87 ; 40177,57971 40200,57948 40236.25,57948 v1@40248.13,57959.87 ; v1@41279.87,40461.13 41268,40449.25 41268,40413 41291,40390 ; v1@41279.87,60325.87 41268,60337.75 41268,60374 41291,60397 ; v1@42822.87,42828.13 42834.75,42840 42871,42840 42894,42817 ; v1@42822.87,48733.13 42834.75,48745 42871,48745 42894,48722 ; v1@42822.87,56213.13 42834.75,56225 42871,56225 42894,56202
  Top Layer w24: J84_B.1@39362.48,57964.93 39362.48,57966.53 39501,57966.53 ; J84_D.1@39363.48,45762.53 39502,45762.53 ; J84_C.1@39363.48,53242.53 39502,53242.53 ; H1_D.84@39798,45812 39823,45787 39972,45787 39984,45775 40012.6,45775 40021.6,45766 40177,45766 ; H1_C.84@39798,53292 39823,53267 39972,53267 39984,53255 40012.6,53255 40021.6,53246 40177,53246 ; H1_B.84@39798,58017 39823,57992 39972,57992 39984,57980 40012.6,57980 40021.6,57971 40177,57971 ; v1(41280,40461) v1(41280,42808) ; 41280,42868 41280,45675 ; v1(41280,45735) v1(41280,48713) ; 41280,48773 41280,53155 ; v1(41280,53215) v1(41280,56193) ; 41280,56253 41280,57880 ; v1(41280,57940) v1(41280,60326) ; 41286.53,61068 J84_A.1@41286.53,61206.52 ; 41291,40390 41291,40234.6 41300,40225.6 41300,40197 41312,40185 41312,40069 ; 41291,60397 41291,60552.4 41300,60561.4 41300,60590 41312,60602 41312,60751 41334.5,60773.5 H1_A.84@41337,60776 ; 42894,42817 43049.4,42817 43058.4,42808 43087,42808 43099,42796 43248,42796 H1_F.84@43273,42771 ; 42894,48722 43049.4,48722 43058.4,48713 43087,48713 43099,48701 43248,48701 H1_G.84@43273,48676 ; 42894,56202 43049.4,56202 43058.4,56193 43087,56193 43099,56181 43248,56181 H1_H.84@43273,56156 ; 43569,42820.47 J84_F.1@43707.52,42820.47 ; 43569,48725.47 J84_G.1@43707.52,48725.47 ; 43569,56205.47 J84_H.1@43707.52,56205.47
  Bottom Layer w24: v1(40248,45755) 41260,45755 v1(41280,45735) ; v1(40248,53235) 41260,53235 v1(41280,53215) ; v1(40248,57960) 41260,57960 v1(41280,57940) ; v1(41280,42808) 41300,42828 v1(42823,42828) ; v1(41280,48713) 41300,48733 v1(42823,48733) ; v1(41280,56193) 41300,56213 v1(42823,56213)
GND_19: H1_A.100 H1_B.100 H1_C.100 H1_D.100 H1_E.100 H1_F.100 H1_G.100 H1_H.100 J100_A.1 J100_B.1 J100_C.1 J100_D.1 J100_F.1 J100_G.1 J100_H.1 | length 35294.7
  Top Layer w8: J100_B.1@39361.48,57205 39451.27,57205 39480.8,57175.47 39715.2,57175.47 39715.26,57175.53 39728.53,57175.53 39770,57217 H1_B.100@39798,57217 ; J100_D.1@39362.48,45001 39452.27,45001 39481.8,44971.47 39716.2,44971.47 ; J100_C.1@39362.48,52481 39452.27,52481 39481.8,52451.47 39716.2,52451.47 ; 39716.26,44971.53 39729.53,44971.53 39771,45013 H1_D.100@39799,45013 ; 39716.26,52451.53 39729.53,52451.53 39771,52493 H1_C.100@39799,52493 ; 40495.47,60853.8 40495.47,61094.47 40525,61124 J100_A.1@40525,61207.52 ; 40495.53,60853.74 40495.53,60840.47 40537,60799 H1_A.100@40537,60776 H1_A.100@40537,60771 ; 40512,40069 40495.47,40052.47 40495.47,39753.53 H1_E.100@40537,39712 ; H1_F.100@43272,43570 43300,43570 43341.47,43611.47 43354.74,43611.47 ; H1_G.100@43272,49475 43300,49475 43341.47,49516.47 43354.74,49516.47 ; H1_H.100@43272,56955 43300,56955 43341.47,56996.47 43354.74,56996.47 ; 43354.8,43611.53 43589.2,43611.53 43618.73,43582 J100_F.1@43708.52,43582 ; 43354.8,49516.53 43589.2,49516.53 43618.73,49487 J100_G.1@43708.52,49487 ; 43354.8,56996.53 43589.2,56996.53 43618.73,56967 J100_H.1@43708.52,56967
  Top Layer w22: 40177,44966 40200,44943 40236.25,44943 v1@40248.13,44954.87 ; 40177,52446 40200,52423 40236.25,52423 v1@40248.13,52434.87 ; 40177,57171 40200,57148 40236.25,57148 v1@40248.13,57159.87 ; v1@40479.87,40461.13 40468,40449.25 40468,40413 40491,40390 ; v1@40479.87,60325.87 40468,60337.75 40468,60374 40491,60397 ; v1@42822.87,43628.13 42834.75,43640 42871,43640 42894,43617 ; v1@42822.87,49533.13 42834.75,49545 42871,49545 42894,49522 ; v1@42822.87,57013.13 42834.75,57025 42871,57025 42894,57002
  Top Layer w24: H1_D.100@39798,45012 39823,44987 39972,44987 39984,44975 40012.6,44975 40021.6,44966 40177,44966 ; H1_C.100@39798,52492 39823,52467 39972,52467 39984,52455 40012.6,52455 40021.6,52446 40177,52446 ; H1_B.100@39798,57217 39823,57192 39972,57192 39984,57180 40012.6,57180 40021.6,57171 40177,57171 ; v1@40480,40461.13 v1(40480,43461) v1(40480,44987) v1(40480,49366) v1(40480,52467) v1(40480,56846) v1(40480,57192) v1(40480,60326) ; 40491,40390 40491,40234.6 40500,40225.6 40500,40197 40512,40185 40512,40069 ; 40491,60397 40491,60552.4 40500,60561.4 40500,60590 40512,60602 40512,60751 H1_A.100@40537,60776 ; 42894,43617 43049.4,43617 43058.4,43608 43087,43608 43099,43596 43248,43596 H1_F.100@43273,43571 ; 42894,49522 43049.4,49522 43058.4,49513 43087,49513 43099,49501 43248,49501 H1_G.100@43273,49476 ; 42894,57002 43049.4,57002 43058.4,56993 43087,56993 43099,56981 43248,56981 H1_H.100@43273,56956
  Bottom Layer w16: v1(40248,44955) 40264,44971 40294.77,44971 40310.77,44987 v1(40480,44987) ; v1(40248,52435) 40264,52451 40294.77,52451 40310.77,52467 v1(40480,52467) ; v1(40248,57160) 40264,57176 40294.77,57176 40310.77,57192 v1(40480,57192) ; v1(40480,43461) 40480,43469.32 40538.51,43527.83 40544.17,43527.83 ; v1(40480,49366) 40480,49374.32 40538.51,49432.83 40544.17,49432.83 ; v1(40480,56846) 40480,56854.32 40538.51,56912.83 40544.17,56912.83
  Bottom Layer w24: 40544.17,43527.83 40644.33,43628 v1(42823,43628) ; 40544.17,49432.83 40644.33,49533 v1(42823,49533) ; 40544.17,56912.83 40644.33,57013 v1(42823,57013)
  other v1: 40480,40461
GPIO_ADCS_1: R8_A.2 R8_B.2 R8_C.2 R8_D.2 R8_E.2 R8_F.2 R8_G.2 R8_H.2 | length 29211.9
  Top Layer w8: R8_D.2@40117.48,47007 40146,47007 40163,46990 40193,46990 v1(40198,46995) ; R8_C.2@40117.48,54487 40146,54487 40163,54470 40193,54470 v1(40198,54475) ; R8_B.2@40117.48,59212 40146,59212 40163,59195 40193,59195 v1(40198,59200) ; 42520,46875.37 42521.37,46874 42521.94,46874 42537,46858.94 42537,46829 v1(42528,46820) 42520,46812 42520,41608.94 42536,41592.94 42536,41563 42520,41547 42520,40486.63 42525,40481.63 42525,40416 v1(42520,40411) 42515,40406 42515,40376 42532,40359 R8_E.2@42532,40330.48 ; 42520,46875.94 42520,47452 42536,47468 42536,47497.94 42520,47513.94 42520,54292 v1(42528,54300) 42537,54309 42537,54338.94 42521.94,54354 42521.37,54354 42520,54355.37 42520,54932 42536,54948 42536,54977.94 42520,54993.94 42520,59010 v1(42528,59010) ; R8_A.2@42532,60456.85 R8_A.2@42532,60456.52 42532,60428 42515,60411 42515,60381 v1(42520,60376) 42529,60367 42529,60309.37 42520,60300.37 42520,59069 42536,59053 v1@42536,59010 ; v1(42873,41588) 42878,41593 42908,41593 42925,41576 R8_F.2@42953.52,41576 ; v1(42873,47493) 42878,47498 42908,47498 42925,47481 R8_G.2@42953.52,47481 ; v1(42873,54973) 42878,54978 42908,54978 42925,54961 R8_H.2@42953.52,54961
  Bottom Layer w8: v1(40198,46995) 40207,47004 40252.41,47004 40259.41,47011 42414.63,47011 42536,46889.63 42536,46830 ; v1(40198,54475) 40207,54484 40252.41,54484 40259.41,54491 42414.63,54491 42536,54369.63 42536,54310 ; v1(40198,59200) 40202,59204 40232.94,59204 40236.94,59200 42416.57,59200 42536,59080.57 v1@42536,59010 ; v1@42530.63,41557.63 42545,41572 42811.59,41572 42818.59,41579 42864,41579 v1(42873,41588) ; v1@42530.63,47462.63 42545,47477 42811.59,47477 42818.59,47484 42864,47484 v1(42873,47493) ; v1@42530.63,54942.63 42545,54957 42811.59,54957 42818.59,54964 42864,54964 v1(42873,54973)
  other v1: 42531.25,41557 42531.25,47462 42531.25,54942
GPIO_ADCS_2: R10_A.2 R10_B.2 R10_C.2 R10_D.2 R10_E.2 R10_F.2 R10_G.2 R10_H.2 | length 28861.2
  Top Layer w8: R10_D.2@40117.15,46907 R10_D.2@40117.48,46907 40146,46907 40163,46890 40193,46890 v1(40198,46895) ; R10_C.2@40117.15,54387 R10_C.2@40117.48,54387 40146,54387 40163,54370 40193,54370 v1(40198,54375) ; R10_B.2@40117.15,59112 R10_B.2@40117.48,59112 40146,59112 40163,59095 40193,59095 v1(40198,59100) ; R10_E.2@42432,40330.15 R10_E.2@42432,40330.48 42432,40359 42415,40376 42415,40406 v1(42420,40411) 42429,40420 42429,40465.41 42436,40472.41 42436,60314.59 42429,60321.59 42429,60367 v1(42420,60376) 42415,60381 42415,60411 42432,60428 R10_A.2@42432,60456.52 R10_A.2@42432,60456.85 ; v1(42873,41688) 42878,41693 42908,41693 42925,41676 R10_F.2@42953.52,41676 R10_F.2@42953.85,41676 ; v1(42873,47593) 42878,47598 42908,47598 42925,47581 R10_G.2@42953.52,47581 R10_G.2@42953.85,47581 ; v1(42873,55073) 42878,55078 42908,55078 42925,55061 R10_H.2@42953.52,55061 R10_H.2@42953.85,55061
  Bottom Layer w8: v1(40198,46895) 40207,46904 40252.41,46904 40259.41,46911 42363.2,46911 42410.63,46863.57 42410.63,46863.37 v1@42428,46846 ; v1(40198,54375) 40207,54384 40252.41,54384 40259.41,54391 42363.2,54391 42410.63,54343.57 42410.63,54343.37 v1@42428,54326 ; v1(40198,59100) 40207,59109 40252.41,59109 40259.41,59116 42363.2,59116 42410.63,59068.57 42410.63,59068.37 v1@42428,59051 ; v1(42428,41658) 42442,41672 42811.59,41672 42818.59,41679 42864,41679 v1(42873,41688) ; v1(42428,47563) 42442,47577 42811.59,47577 42818.59,47584 42864,47584 v1(42873,47593) ; v1(42428,55043) 42442,55057 42811.59,55057 42818.59,55064 42864,55064 v1(42873,55073)
  other v1: 42428,46847 42428,54327 42428,59052
GPIO_RESERVE_1: H1_A.27 H1_B.27 H1_C.27 H1_D.27 H1_E.27 H1_F.27 H1_G.27 H1_H.27 | length 33614.4
  Top Layer w8: H1_D.27@39500.48,46012 39543.01,46054.53 39818.1,46054.53 39840.62,46032 40156,46032 v1(40173,46015) ; H1_C.27@39500.48,53492 39543.01,53534.53 39818.1,53534.53 39840.62,53512 40156,53512 v1(40173,53495) ; H1_B.27@39500.48,58217 39543.01,58259.53 39818.1,58259.53 39840.62,58237 40156,58237 v1(40173,58220) ; H1_E.27@41537,40012 41557,40032 41557,40369 v1(41540,40386) 41540,40395 41545,40400 41545,40458.78 41552,40465.78 41552,60321.22 41545,60328.22 41545,60387 41540,60392 v1(41540,60401) 41557,60418 41557,60733.38 41579.53,60755.9 41579.53,61030.99 H1_A.27@41537,61073.52 ; v1(42898,42568) 42915,42551 43230.38,42551 43252.9,42528.47 43527.99,42528.47 H1_F.27@43570.52,42571 ; v1(42898,48473) 42915,48456 43230.38,48456 43252.9,48433.47 43527.99,48433.47 H1_G.27@43570.52,48476 ; v1(42898,55953) 42915,55936 43230.38,55936 43252.9,55913.47 43527.99,55913.47 H1_H.27@43570.52,55956
  Bottom Layer w8: v1(40173,46015) 40182,46015 40187,46020 40245.78,46020 40252.78,46027 41538,46027 v1(41560,46005) ; v1(40173,53495) 40182,53495 40187,53500 40245.78,53500 40252.78,53507 41538,53507 v1(41560,53485) ; v1(40173,58220) 40182,58220 40187,58225 40245.78,58225 40252.78,58232 41538,58232 v1(41560,58210) ; v1(41560,42538) 41578,42556 42818.22,42556 42825.22,42563 42884,42563 42889,42568 v1(42898,42568) ; v1(41560,48443) 41578,48461 42818.22,48461 42825.22,48468 42884,48468 42889,48473 v1(42898,48473) ; v1(41560,55923) 41578,55941 42818.22,55941 42825.22,55948 42884,55948 42889,55953 v1(42898,55953)
GPIO_RESERVE_2: H1_A.29 H1_B.29 H1_C.29 H1_D.29 H1_E.29 H1_F.29 H1_G.29 H1_H.29 | length 33664.4
  Top Layer w8: H1_D.29@39500.48,45912 39543.01,45954.53 39818.1,45954.53 39840.62,45932 40017.24,45932 40024.91,45939.67 40145.09,45939.67 40169.76,45915 v1(40173,45915) ; H1_C.29@39500.48,53392 39543.01,53434.53 39818.1,53434.53 39840.62,53412 40017.24,53412 40024.91,53419.67 40145.09,53419.67 40169.76,53395 v1(40173,53395) ; H1_B.29@39500.48,58117 39543.01,58159.53 39818.1,58159.53 39840.62,58137 40017.24,58137 40024.91,58144.67 40145.09,58144.67 40169.76,58120 v1(40173,58120) ; H1_E.29@41437,40012 41457,40032 41457,40230.24 41464.67,40237.91 41464.67,40358.09 41440,40382.76 v1(41440,40386) 41440,40395 41445,40400 41445,40458.78 41452,40465.78 41452,60321.22 41445,60328.22 41445,60387 41440,60392 v1(41440,60401) 41440,60404.24 41464.67,60428.91 41464.67,60549.09 41457,60556.76 41457,60733.38 41478.53,60754.9 41478.53,61031.99 H1_A.29@41437,61073.52 ; v1(42898,42668) 42901.24,42668 42925.91,42643.33 43046.09,42643.33 43053.76,42651 43230.38,42651 43252.9,42628.47 43527.99,42628.47 H1_F.29@43570.52,42671 ; v1(42898,48573) 42901.24,48573 42925.91,48548.33 43046.09,48548.33 43053.76,48556 43230.38,48556 43252.9,48533.47 43527.99,48533.47 H1_G.29@43570.52,48576 ; v1(42898,56053) 42901.24,56053 42925.91,56028.33 43046.09,56028.33 43053.76,56036 43230.38,56036 43252.9,56013.47 43527.99,56013.47 H1_H.29@43570.52,56056
  Bottom Layer w8: v1(40173,45915) 40182,45915 40187,45920 40245.78,45920 40252.78,45927 41438,45927 v1(41460,45905) ; v1(40173,53395) 40182,53395 40187,53400 40245.78,53400 40252.78,53407 41438,53407 v1(41460,53385) ; v1(40173,58120) 40182,58120 40187,58125 40245.78,58125 40252.78,58132 41438,58132 v1(41460,58110) ; v1(41460,42638) 41478,42656 42818.22,42656 42825.22,42663 42884,42663 42889,42668 v1(42898,42668) ; v1(41460,48543) 41478,48561 42818.22,48561 42825.22,48568 42884,48568 42889,48573 v1(42898,48573) ; v1(41460,56023) 41478,56041 42818.22,56041 42825.22,56048 42884,56048 42889,56053 v1(42898,56053)